# Altium PCB I2C_Jog_Controller.pcbdoc (part 5 of 9)
Units mil, origin at the board's own origin, x right, y up, seen from the top; angles counter-clockwise.
Board outline 3937.01 x 3937.01 mil, 2 copper layers (Top Layer, Bottom Layer), stack 65.398 mil thick; 211 components, 144 nets, 5702 pads, 342 vias.
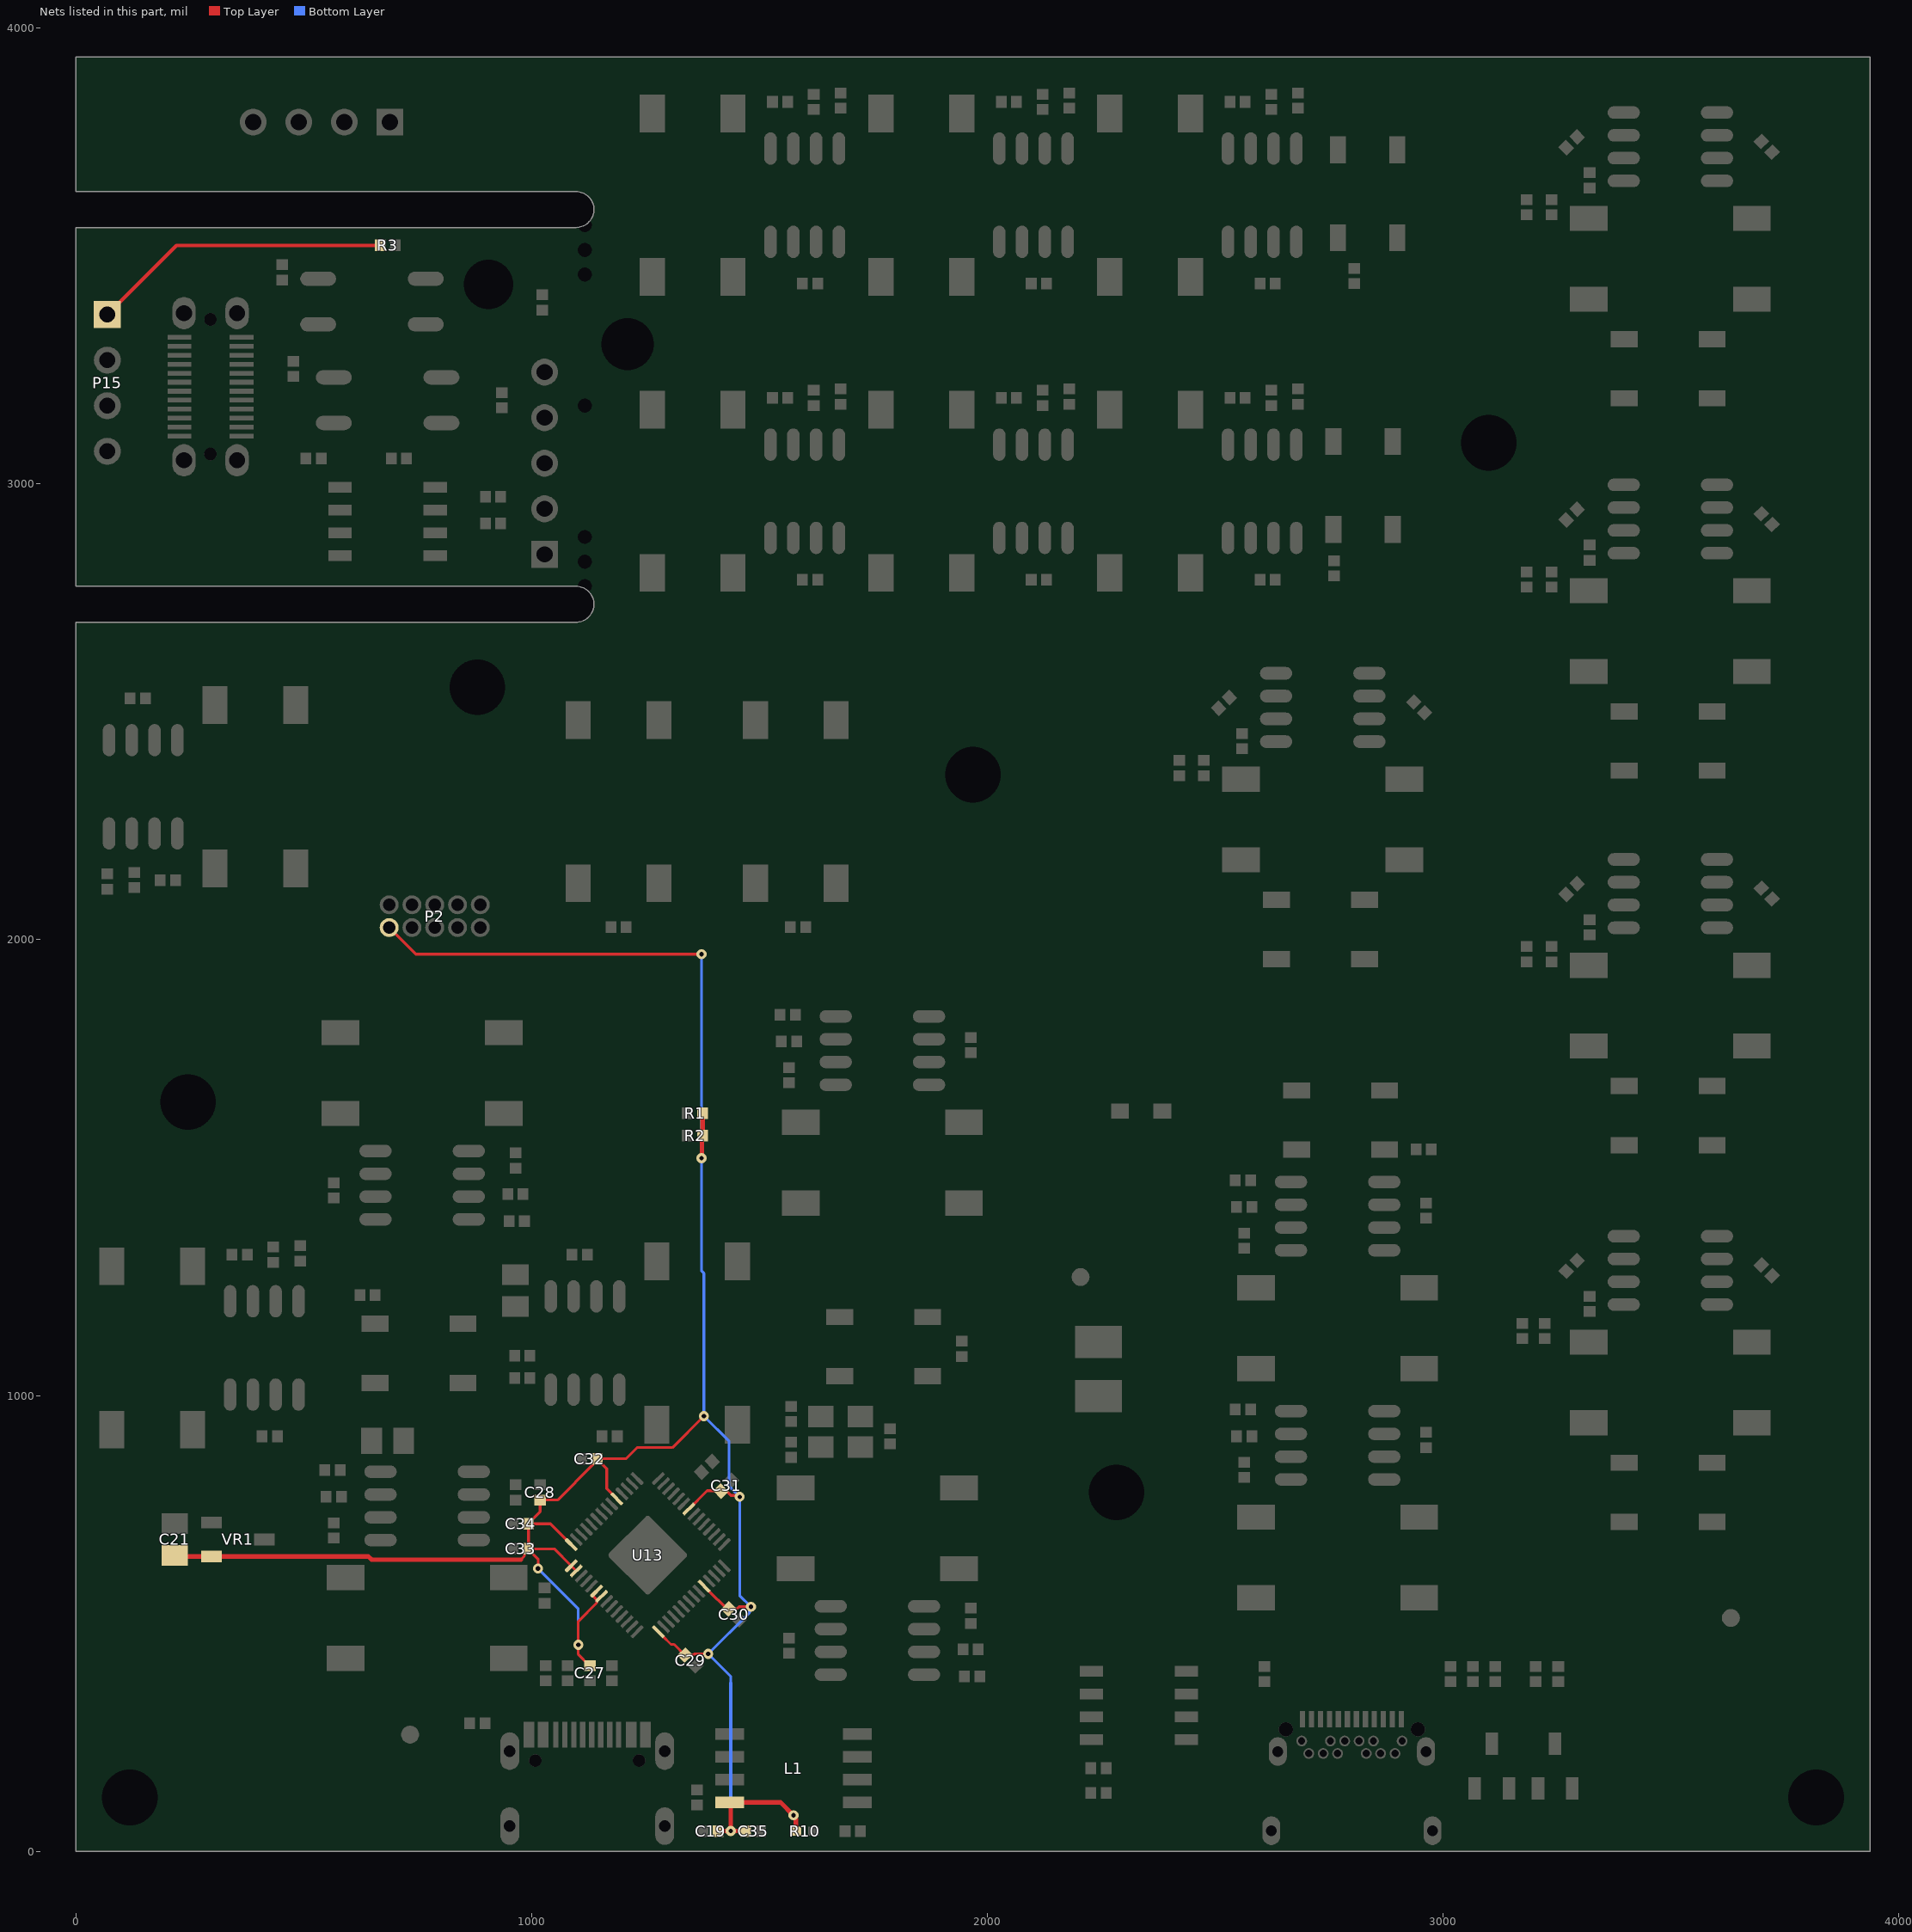
[diagram p5: the nets of this part, all layers, seen from the top]

## Footprints (in the part's own frame and the unit in brackets; to place one, negate y for a bottom-side part, rotate by r counter-clockwise, add the part's x,y. Pads: shape width x height; smd on the part's side, far side on the other; paste and mask are expansions set on the pad) (continued)
Expatria-Logo [mil] "Expatria DXF logo" (continued)
  round 1.64 on Mech4: 1_4185(-44376.2,-43436.34) 1_4186(-44382.03,-43433.68) 1_4187(-44377.56,-43436.34) 1_4188(-44383.36,-43433.68) 1_4189(-44382.03,-43433.68) 1_4190(-44393.22,-43428.3) 1_4191(-44383.36,-43433.68) 1_4192(-44394.55,-43428.3) 1_4193(-44393.22,-43428.3) 1_4194(-44405.73,-43422.5) 1_4195(-44394.55,-43428.3) 1_4196(-44407.09,-43422.5) 1_4197(-44405.73,-43422.5) 1_4198(-44407.96,-43421.59) 1_4199(-44407.09,-43422.5) 1_4200(-44409.33,-43421.59) 1_4201(-44407.96,-43421.59) 1_4202(-44410.2,-43420.68) 1_4203(-44409.33,-43421.59) 1_4204(-44411.56,-43420.68) 1_4205(-44410.2,-43420.68) 1_4206(-44416.04,-43418.03) 1_4207(-44411.56,-43420.68) 1_4208(-44417.36,-43418.03) 1_4209(-44416.04,-43418.03) 1_4210(-44418.27,-43417.12) 1_4211(-44417.36,-43418.03) 1_4212(-44419.6,-43417.12) 1_4213(-44418.27,-43417.12) 1_4214(-44422.75,-43415.34) 1_4215(-44419.6,-43417.12) 1_4216(-44424.07,-43415.34) 1_4217(-44422.75,-43415.34) 1_4218(-44424.98,-43414.43) 1_4219(-44424.07,-43415.34) 1_4220(-44426.31,-43414.43) 1_4221(-44424.98,-43414.43) 1_4222(-44427.22,-43413.56) 1_4223(-44426.31,-43414.43) 1_4224(-44428.55,-43413.56) 1_4225(-44427.22,-43413.56) 1_4226(-44429.45,-43412.65) 1_4227(-44428.55,-43413.56) 1_4228(-44430.78,-43412.65) 1_4229(-44429.45,-43412.65) 1_4230(-44432.56,-43411.32) 1_4231(-44430.78,-43412.65) 1_4232(-44434.35,-43411.32) 1_4233(-44432.56,-43411.32) 1_4234(-44438.4,-43409.5) 1_4235(-44434.35,-43411.32) 1_4236(-44439.73,-43409.5) 1_4237(-44438.4,-43409.5) 1_4238(-44440.64,-43408.63) 1_4239(-44439.73,-43409.5) 1_4240(-44441.97,-43408.63) 1_4241(-44440.64,-43408.63) 1_4242(-44443.75,-43407.26) 1_4243(-44441.97,-43408.63) 1_4244(-44445.53,-43407.26) 1_4245(-44443.75,-43407.26) 1_4246(-44449.58,-43405.48) 1_4247(-44445.53,-43407.26) 1_4248(-44450.91,-43405.48) 1_4249(-44449.58,-43405.48) 1_4250(-44451.82,-43404.61) 1_4251(-44450.91,-43405.48) 1_4252(-44453.15,-43404.61) 1_4253(-44451.82,-43404.61) 1_4254(-44454.93,-43403.25) 1_4255(-44453.15,-43404.61) 1_4256(-44456.71,-43403.25) 1_4257(-44454.93,-43403.25) 1_4258(-44471.49,-43398.32) 1_4259(-44456.71,-43403.25) 1_4260(-44473.28,-43398.32) 1_4261(-44471.49,-43398.32) 1_4262(-44481.31,-43395.21) 1_4263(-44473.28,-43398.32) 1_4264(-44506.82,-43388.95) 1_4265(-44481.31,-43395.21) 1_4266(-44509.51,-43388.95) 1_4267(-44506.82,-43388.95) 1_4268(-44517.55,-43386.72) 1_4269(-44509.51,-43388.95) 1_4270(-44520.24,-43386.72) 1_4271(-44517.55,-43386.72) 1_4272(-44525.62,-43384.9) 1_4273(-44520.24,-43386.72) 1_4274(-44530.97,-43384.9) 1_4275(-44525.62,-43384.9) 1_4276(-44539.04,-43383.12) 1_4277(-44530.97,-43384.9) 1_4278(-44551.55,-43381.34) 1_4279(-44539.04,-43383.12) 1_4280(-44556.93,-43381.34) 1_4281(-44551.55,-43381.34) 1_4282(-44572.14,-43379.55) 1_4283(-44556.93,-43381.34) 1_4284(-44577.06,-43379.55) 1_4285(-44572.14,-43379.55) 1_4286(-44577.06,-43379.55) 1_4287(-44566.75,-43378.64) 1_4288(-44589.12,-43426.07) 1_4289(-44575.25,-43426.97) 1_4290(-44575.25,-43426.97) 1_4291(-44566.3,-43428.3) 1_4292(-44566.3,-43428.3) 1_4293(-44557.81,-43428.76) 1_4294(-44557.81,-43428.76) 1_4295(-44554.24,-43429.63) 1_4296(-44554.24,-43429.63) 1_4297(-44548.41,-43430.08) 1_4298(-44548.41,-43430.08) 1_4299(-44543.52,-43431.45) 1_4300(-44543.52,-43431.45) 1_4301(-44536.35,-43432.32) 1_4302(-44536.35,-43432.32) 1_4303(-44526.04,-43435.01) 1_4304(-44526.04,-43435.01) 1_4305(-44522.93,-43435.47) 1_4306(-44522.93,-43435.47) 1_4307(-44521.57,-43436.34) 1_4308(-44521.57,-43436.34) 1_4309(-44513.99,-43437.7) 1_4310(-44513.99,-43437.7) 1_4311(-44512.62,-43438.58) 1_4312(-44512.62,-43438.58) 1_4313(-44508.15,-43439.48) 1_4314(-44508.15,-43439.48) 1_4315(-44505.92,-43440.81) 1_4316(-44505.92,-43440.81) 1_4317(-44501.02,-43441.72) 1_4318(-44501.02,-43441.72) 1_4319(-44491.62,-43445.28) 1_4320(-44491.62,-43445.28) 1_4321(-44484,-43447.52) 1_4322(-44484,-43447.52) 1_4323(-44481.77,-43448.89) 1_4324(-44481.77,-43448.89) 1_4325(-44475.51,-43450.67) 1_4326(-44475.51,-43450.67) 1_4327(-44472.37,-43452.45) 1_4328(-44472.37,-43452.45) 1_4329(-44462.09,-43455.59) 1_4330(-44462.09,-43455.59) 1_4331(-44458.95,-43457.38) 1_4332(-44458.95,-43457.38) 1_4333(-44456.71,-43457.83) 1_4334(-44456.71,-43457.83) 1_4335(-44454.48,-43459.16) 1_4336(-44454.48,-43459.16) 1_4337(-44446.89,-43461.39) 1_4338(-44446.89,-43461.39) 1_4339(-44444.66,-43462.76) 1_4340(-44444.66,-43462.76) 1_4341(-44442.42,-43463.18) 1_4342(-44442.42,-43463.18) 1_4343(-44441.51,-43464.09) 1_4344(-44441.51,-43464.09) 1_4345(-44439.27,-43464.54) 1_4346(-44439.27,-43464.54) 1_4347(-44433.47,-43467.65) 1_4348(-44433.47,-43467.65) 1_4349(-44429.87,-43468.56) 1_4350(-44429.87,-43468.56) 1_4351(-44426.31,-43470.8) 1_4352(-44426.31,-43470.8) 1_4353(-44424.07,-43471.25) 1_4354(-44424.07,-43471.25) 1_4355(-44419.6,-43473.94) 1_4356(-44419.6,-43473.94) 1_4357(-44417.36,-43474.36) 1_4358(-44417.36,-43474.36) 1_4359(-44415.13,-43475.72) 1_4360(-44415.13,-43475.72) 1_4361(-44412.89,-43476.18) 1_4362(-44412.89,-43476.18) 1_4363(-44409.33,-43478.41) 1_4364(-44409.33,-43478.41) 1_4365(-44407.09,-43478.83) 1_4366(-44407.09,-43478.83) 1_4367(-44396.78,-43484.21) 1_4368(-44396.78,-43484.21) 1_4369(-44390.07,-43487.78) 1_4370(-44390.07,-43487.78) 1_4371(-44387.84,-43488.23) 1_4372(-44387.84,-43488.23) 1_4373(-44374.42,-43495.4) 1_4374(-44374.42,-43495.4) 1_4375(-44356.07,-43504.34) 1_4376(-44356.07,-43504.34) 1_4377(-44354.74,-43505.67) 1_4378(-44354.74,-43505.67) 1_4379(-44353.41,-43506.13) 1_4380(-44353.41,-43506.13) 1_4381(-44350.27,-43508.36) 1_4382(-44350.27,-43508.36) 1_4383(-44347.12,-43510.14) 1_4384(-44347.12,-43510.14) 1_4385(-44337.76,-43515.07) 1_4386(-44337.76,-43515.07) 1_4387(-44334.61,-43516.85) 1_4388(-44334.61,-43516.85) 1_4389(-44331.47,-43518.67) 1_4390(-44331.47,-43518.67) 1_4391(-44328.36,-43520.45) 1_4392(-44328.36,-43520.45) 1_4393(-44325.21,-43522.23) 1_4394(-44325.21,-43522.23) 1_4395(-44322.1,-43524.02) 1_4396(-44322.1,-43524.02) 1_4397(-44318.96,-43525.8) 1_4398(-44318.96,-43525.8) 1_4399(-44316.72,-43526.71) 1_4400(-44316.72,-43526.71) 1_4401(-44313.58,-43528.94) 1_4402(-44313.58,-43528.94) 1_4403(-44312.25,-43529.4) 1_4404(-44312.25,-43529.4) 1_4405(-44308.68,-43532.09) 1_4406(-44308.68,-43532.09) 1_4407(-44305.54,-43533.87) 1_4408(-44305.54,-43533.87) 1_4409(-44303.3,-43534.74) 1_4410(-44303.3,-43534.74) 1_4411(-44300.16,-43536.98) 1_4412(-44300.16,-43536.98) 1_4413(-44297.05,-43538.34) 1_4414(-44297.05,-43538.34) 1_4415(-44295.68,-43539.67) 1_4416(-44295.68,-43539.67) 1_4417(-44294.36,-43540.13) 1_4418(-44294.36,-43540.13) 1_4419(-44293.03,-43541.45) 1_4420(-44293.03,-43541.45) 1_4421(-44291.67,-43541.91) 1_4422(-44291.67,-43541.91) 1_4423(-44290.34,-43543.27) 1_4424(-44290.34,-43543.27) 1_4425(-44288.97,-43543.69) 1_4426(-44288.97,-43543.69) 1_4427(-44287.65,-43545.05) 1_4428(-44287.65,-43545.05) 1_4429(-44286.32,-43545.51) 1_4430(-44286.32,-43545.51) 1_4431(-44282.72,-43548.16) 1_4432(-44282.72,-43548.16) 1_4433(-44281.39,-43548.62) 1_4434(-44281.39,-43548.62) 1_4435(-44278.25,-43550.85) 1_4436(-44278.25,-43550.85) 1_4437(-44276.92,-43551.31) 1_4438(-44276.92,-43551.31) 1_4439(-44273.77,-43553.55) 1_4440(-44273.77,-43553.55) 1_4441(-44272.45,-43554) 1_4442(-44272.45,-43554) 1_4443(-44271.08,-43555.33) 1_4444(-44271.08,-43555.33) 1_4445(-44269.76,-43555.78) 1_4446(-44269.76,-43555.78) 1_4447(-44268.43,-43557.11) 1_4448(-44268.43,-43557.11) 1_4449(-44267.07,-43557.56) 1_4450(-44267.07,-43557.56) 1_4451(-44265.74,-43558.93) 1_4452(-44265.74,-43558.93) 1_4453(-44264.37,-43559.35) 1_4454(-44264.37,-43559.35) 1_4455(-44263.05,-43560.71) 1_4456(-44263.05,-43560.71) 1_4457(-44261.72,-43561.16) 1_4458(-44261.72,-43561.16) 1_4459(-44260.36,-43562.49) 1_4460(-44260.36,-43562.49) 1_4461(-44256.79,-43564.73) 1_4462(-44256.79,-43564.73) 1_4463(-44255.43,-43565.18) 1_4464(-44255.43,-43565.18) 1_4465(-44255.01,-43566.51) 1_4466(-44259.9,-43567.87) 1_4467(-44255.01,-43566.51) 1_4468(-44263.05,-43568.29) 1_4469(-44259.9,-43567.87) 1_4470(-44267.97,-43570.11) 1_4471(-44263.05,-43568.29) 1_4472(-44272.9,-43570.98) 1_4473(-44267.97,-43570.11) 1_4474(-44279.61,-43573.22) 1_4475(-44272.9,-43570.98) 1_4476(-44286.32,-43574.58) 1_4477(-44279.61,-43573.22) 1_4478(-44289.43,-43575.91) 1_4479(-44286.32,-43574.58) 1_4480(-44294.36,-43576.82) 1_4481(-44289.43,-43575.91) 1_4482(-44299.29,-43578.6) 1_4483(-44294.36,-43576.82) 1_4484(-44305.54,-43579.47) 1_4485(-44299.29,-43578.6) 1_4486(-44308.68,-43580.84) 1_4487(-44305.54,-43579.47) 1_4488(-44312.7,-43581.29) 1_4489(-44308.68,-43580.84) 1_4490(-44315.81,-43582.62) 1_4491(-44312.7,-43581.29) 1_4492(-44325.21,-43584.86) 1_4493(-44315.81,-43582.62) 1_4494(-44331.92,-43586.18) 1_4495(-44325.21,-43584.86) 1_4496(-44338.63,-43588.42) 1_4497(-44331.92,-43586.18) 1_4498(-44351.6,-43590.66) 1_4499(-44338.63,-43588.42) 1_4500(-44354.74,-43592.02) 1_4501(-44351.6,-43590.66) 1_4502(-44364.6,-43594.26) 1_4503(-44354.74,-43592.02) 1_4504(-44377.11,-43596.49) 1_4505(-44364.6,-43594.26) 1_4506(-44380.25,-43597.82) 1_4507(-44377.11,-43596.49) 1_4508(-44387.38,-43599.6) 1_4509(-44380.25,-43597.82) 1_4510(-44395.91,-43600.51) 1_4511(-44387.38,-43599.6) 1_4512(-44401.71,-43602.29) 1_4513(-44395.91,-43600.51) 1_4514(-44407.96,-43603.2) 1_4515(-44401.71,-43602.29) 1_4516(-44414.22,-43604.98) 1_4517(-44407.96,-43603.2) 1_4518(-44420.06,-43605.44) 1_4519(-44414.22,-43604.98) 1_4520(-44426.31,-43607.22) 1_4521(-44420.06,-43605.44) 1_4522(-44432.11,-43607.68) 1_4523(-44426.31,-43607.22) 1_4524(-44433.93,-43608.55) 1_4525(-44432.11,-43607.68) 1_4526(-44443.75,-43610.37) 1_4527(-44433.93,-43608.55) 1_4528(-44449.58,-43610.79) 1_4529(-44443.75,-43610.37) 1_4530(-44454.93,-43612.15) 1_4531(-44449.58,-43610.79) 1_4532(-44460.77,-43612.6) 1_4533(-44454.93,-43612.15) 1_4534(-44464.79,-43613.93) 1_4535(-44460.77,-43612.6) 1_4536(-44471.95,-43614.39) 1_4537(-44464.79,-43613.93) 1_4538(-44483.13,-43616.62) 1_4539(-44471.95,-43614.39) 1_4540(-44488.02,-43617.08) 1_4541(-44483.13,-43616.62) 1_4542(-44490.26,-43617.95) 1_4543(-44488.02,-43617.08) 1_4544(-44525.62,-43622.88) 1_4545(-44490.26,-43617.95) 1_4546(-44534.99,-43623.33) 1_4547(-44525.62,-43622.88) 1_4548(-44539.46,-43624.21) 1_4549(-44534.99,-43623.33) 1_4550(-44564.06,-43626.02) 1_4551(-44539.46,-43624.21) 1_4552(-44599.43,-43625.57) 1_4553(-44564.06,-43626.02) 1_4554(-44608.38,-43625.57) 1_4555(-44599.43,-43625.57) 1_4556(-44617.32,-43624.21) 1_4557(-44608.38,-43625.57) 1_4558(-44621.79,-43624.21) 1_4559(-44617.32,-43624.21) 1_4560(-44625.81,-43623.33) 1_4561(-44621.79,-43624.21) 1_4562(-44630.29,-43623.33) 1_4563(-44625.81,-43623.33) 1_4564(-44634.31,-43622.42) 1_4565(-44630.29,-43623.33) 1_4566(-44636.54,-43622.42) 1_4567(-44634.31,-43622.42) 1_4568(-44638.32,-43621.55) 1_4569(-44636.54,-43622.42) 1_4570(-44640.56,-43621.55) 1_4571(-44638.32,-43621.55) 1_4572(-44642.34,-43620.64) 1_4573(-44640.56,-43621.55) 1_4574(-44644.58,-43620.64) 1_4575(-44642.34,-43620.64) 1_4576(-44646.4,-43619.73) 1_4577(-44644.58,-43620.64) 1_4578(-44649.05,-43619.73) 1_4579(-44646.4,-43619.73) 1_4580(-44650.87,-43618.86) 1_4581(-44649.05,-43619.73) 1_4582(-44653.1,-43618.86) 1_4583(-44650.87,-43618.86) 1_4584(-44654.43,-43617.95) 1_4585(-44653.1,-43618.86) 1_4586(-44656.67,-43617.95) 1_4587(-44654.43,-43617.95) 1_4588(-44660.69,-43616.62) 1_4589(-44656.67,-43617.95) 1_4590(-44663.83,-43615.71) 1_4591(-44660.69,-43616.62) 1_4592(-44665.16,-43615.71) 1_4593(-44663.83,-43615.71) 1_4594(-44666.07,-43614.84) 1_4595(-44665.16,-43615.71) 1_4596(-44667.85,-43614.84) 1_4597(-44666.07,-43614.84) 1_4598(-44670.54,-43613.48) 1_4599(-44667.85,-43614.84) 1_4600(-44671.87,-43613.48) 1_4601(-44670.54,-43613.48) 1_4602(-44675.47,-43611.69) 1_4603(-44671.87,-43613.48) 1_4604(-44676.8,-43611.69) 1_4605(-44675.47,-43611.69) 1_4606(-44679.03,-43610.37) 1_4607(-44676.8,-43611.69) 1_4608(-44680.36,-43610.37) 1_4609(-44679.03,-43610.37) 1_4610(-44681.27,-43609.46) 1_4611(-44680.36,-43610.37) 1_4612(-44682.6,-43609.46) 1_4613(-44681.27,-43609.46) 1_4614(-44684.42,-43608.13) 1_4615(-44682.6,-43609.46) 1_4616(-44685.74,-43608.13) 1_4617(-44684.42,-43608.13) 1_4618(-44700.94,-43600.06) 1_4619(-44685.74,-43608.13) 1_4620(-44701.85,-43600.06) 1_4621(-44700.94,-43600.06) 1_4622(-44703.18,-43598.73) 1_4623(-44701.85,-43600.06) 1_4624(-44704.09,-43598.73) 1_4625(-44703.18,-43598.73) 1_4626(-44704.55,-43597.82) 1_4627(-44704.09,-43598.73) 1_4628(-44705.42,-43597.82) 1_4629(-44704.55,-43597.82) 1_4630(-44705.87,-43596.95) 1_4631(-44705.42,-43597.82) 1_4632(-44706.78,-43596.95) 1_4633(-44705.87,-43596.95) 1_4634(-44707.2,-43596.04) 1_4635(-44706.78,-43596.95) 1_4636(-44708.11,-43596.04) 1_4637(-44707.2,-43596.04) 1_4638(-44708.56,-43595.13) 1_4639(-44708.11,-43596.04) 1_4640(-44709.44,-43595.13) 1_4641(-44708.56,-43595.13) 1_4642(-44709.89,-43594.26) 1_4643(-44709.44,-43595.13) 1_4644(-44710.8,-43594.26) 1_4645(-44709.89,-43594.26) 1_4646(-44711.67,-43592.89) 1_4647(-44710.8,-43594.26) 1_4648(-44712.58,-43592.89) 1_4649(-44711.67,-43592.89) 1_4650(-44713.04,-43592.02) 1_4651(-44712.58,-43592.89) 1_4652(-44713.91,-43592.02) 1_4653(-44713.04,-43592.02) 1_4654(-44714.82,-43590.66) 1_4655(-44713.91,-43592.02) 1_4656(-44715.73,-43590.66) 1_4657(-44714.82,-43590.66) 1_4658(-44716.15,-43589.78) 1_4659(-44715.73,-43590.66) 1_4660(-44717.05,-43589.78) 1_4661(-44716.15,-43589.78) 1_4662(-44717.96,-43588.42) 1_4663(-44717.05,-43589.78) 1_4664(-44718.84,-43588.42) 1_4665(-44717.96,-43588.42) 1_4666(-44719.29,-43587.55) 1_4667(-44718.84,-43588.42) 1_4668(-44720.2,-43587.55) 1_4669(-44719.29,-43587.55) 1_4670(-44721.07,-43586.18) 1_4671(-44720.2,-43587.55) 1_4672(-44721.98,-43586.18) 1_4673(-44721.07,-43586.18) 1_4674(-44723.76,-43583.95) 1_4675(-44721.98,-43586.18) 1_4676(-44724.67,-43583.95) 1_4677(-44723.76,-43583.95) 1_4678(-44726.91,-43581.29) 1_4679(-44724.67,-43583.95) 1_4680(-44727.78,-43581.29) 1_4681(-44726.91,-43581.29) 1_4682(-44729.57,-43579.06) 1_4683(-44727.78,-43581.29) 1_4684(-44730.47,-43579.06) 1_4685(-44729.57,-43579.06) 1_4686(-44742.11,-43566.97) 1_4687(-44730.47,-43579.06) 1_4688(-44742.56,-43566.97) 1_4689(-44742.11,-43566.97) 1_4690(-44742.98,-43565.64) 1_4691(-44742.56,-43566.97) 1_4692(-44747.46,-43561.16) 1_4693(-44742.98,-43565.64) 1_4694(-44747.91,-43561.16) 1_4695(-44747.46,-43561.16) 1_4696(-44748.36,-43559.8) 1_4697(-44747.91,-43561.16) 1_4698(-44750.15,-43558.02) 1_4699(-44748.36,-43559.8) 1_4700(-44750.6,-43558.02) 1_4701(-44750.15,-43558.02) 1_4702(-44751.06,-43556.69) 1_4703(-44750.6,-43558.02) 1_4704(-44752.38,-43555.33) 1_4705(-44751.06,-43556.69) 1_4706(-44752.84,-43555.33) 1_4707(-44752.38,-43555.33) 1_4708(-44753.75,-43553.55) 1_4709(-44752.84,-43555.33) 1_4710(-44754.17,-43553.55) 1_4711(-44753.75,-43553.55) 1_4712(-44754.62,-43552.22) 1_4713(-44754.17,-43553.55) 1_4714(-44755.07,-43552.22) 1_4715(-44754.62,-43552.22) 1_4716(-44755.98,-43550.4) 1_4717(-44755.07,-43552.22) 1_4718(-44756.4,-43550.4) 1_4719(-44755.98,-43550.4) 1_4720(-44756.86,-43549.07) 1_4721(-44756.4,-43550.4) 1_4722(-44757.31,-43549.07) 1_4723(-44756.86,-43549.07) 1_4724(-44758.22,-43547.29) 1_4725(-44757.31,-43549.07) 1_4726(-44758.64,-43547.29) 1_4727(-44758.22,-43547.29) 1_4728(-44759.09,-43545.93) 1_4729(-44758.64,-43547.29) 1_4730(-44759.55,-43545.93) 1_4731(-44759.09,-43545.93) 1_4732(-44760.46,-43544.15) 1_4733(-44759.55,-43545.93) 1_4734(-44760.88,-43544.15) 1_4735(-44760.46,-43544.15) 1_4736(-44761.33,-43542.82) 1_4737(-44760.88,-43544.15) 1_4738(-44761.78,-43542.82) 1_4739(-44761.33,-43542.82) 1_4740(-44762.69,-43541.04) 1_4741(-44761.78,-43542.82) 1_4742(-44763.11,-43541.04) 1_4743(-44762.69,-43541.04) 1_4744(-44764.93,-43537.89) 1_4745(-44763.11,-43541.04) 1_4746(-44765.35,-43537.89) 1_4747(-44764.93,-43537.89) 1_4748(-44765.8,-43536.56) 1_4749(-44765.35,-43537.89) 1_4750(-44766.26,-43536.56) 1_4751(-44765.8,-43536.56) 1_4752(-44766.71,-43535.2) 1_4753(-44766.26,-43536.56) 1_4754(-44767.17,-43535.2) 1_4755(-44766.71,-43535.2) 1_4756(-44767.59,-43533.87) 1_4757(-44767.17,-43535.2) 1_4758(-44768.04,-43533.87) 1_4759(-44767.59,-43533.87) 1_4760(-44768.49,-43532.51) 1_4761(-44768.04,-43533.87) 1_4762(-44768.95,-43532.51) 1_4763(-44768.49,-43532.51) 1_4764(-44769.4,-43531.18) 1_4765(-44768.95,-43532.51) 1_4766(-44769.82,-43531.18) 1_4767(-44769.4,-43531.18) 1_4768(-44770.73,-43528.94) 1_4769(-44769.82,-43531.18) 1_4770(-44771.18,-43528.94) 1_4771(-44770.73,-43528.94) 1_4772(-44772.06,-43526.71) 1_4773(-44771.18,-43528.94) 1_4774(-44772.51,-43526.71) 1_4775(-44772.06,-43526.71) 1_4776(-44773.42,-43524.47) 1_4777(-44772.51,-43526.71) 1_4778(-44773.88,-43524.47) 1_4779(-44773.42,-43524.47) 1_4780(-44774.75,-43522.23) 1_4781(-44773.88,-43524.47) 1_4782(-44775.2,-43522.23) 1_4783(-44774.75,-43522.23) 1_4784(-44776.53,-43519.09) 1_4785(-44775.2,-43522.23) 1_4786(-44776.99,-43519.09) 1_4787(-44776.53,-43519.09) 1_4788(-44777.89,-43516.85) 1_4789(-44776.99,-43519.09) 1_4790(-44778.35,-43516.85) 1_4791(-44777.89,-43516.85) 1_4792(-44778.35,-43516.85) 1_4793(-44776.11,-43514.62) 1_4794(-44776.11,-43514.62) 1_4795(-44775.66,-43513.29) 1_4796(-44775.66,-43513.29) 1_4797(-44773.88,-43511.96) 1_4798(-44773.88,-43511.96) 1_4799(-44773.42,-43510.6) 1_4800(-44773.42,-43510.6) 1_4801(-44771.64,-43509.27) 1_4802(-44771.64,-43509.27) 1_4803(-44771.18,-43507.91) 1_4804(-44771.18,-43507.91) 1_4805(-44768.95,-43506.13) 1_4806(-44768.95,-43506.13) 1_4807(-44768.49,-43504.8) 1_4808(-44768.49,-43504.8) 1_4809(-44756.4,-43493.16) 1_4810(-44756.4,-43493.16) 1_4811(-44755.98,-43491.83) 1_4812(-44755.98,-43491.83) 1_4813(-44753.75,-43489.6) 1_4814(-44753.75,-43489.6) 1_4815(-44752.38,-43489.14) 1_4816(-44752.38,-43489.14) 1_4817(-44751.06,-43487.36) 1_4818(-44751.06,-43487.36) 1_4819(-44749.69,-43486.91) 1_4820(-44749.69,-43486.91) 1_4821(-44745.22,-43481.98) 1_4822(-44745.22,-43481.98) 1_4823(-44743.89,-43481.52) 1_4824(-44743.89,-43481.52) 1_4825(-44742.56,-43479.74) 1_4826(-44742.56,-43479.74) 1_4827(-44741.2,-43479.29) 1_4828(-44741.2,-43479.29) 1_4829(-44739.42,-43477.05) 1_4830(-44739.42,-43477.05) 1_4831(-44738.09,-43476.59) 1_4832(-44738.09,-43476.59) 1_4833(-44735.4,-43473.94) 1_4834(-44735.4,-43473.94) 1_4835(-44734.04,-43473.49) 1_4836(-44734.04,-43473.49) 1_4837(-44733.62,-43472.58) 1_4838(-44733.62,-43472.58) 1_4839(-44732.25,-43472.12) 1_4840(-44732.25,-43472.12) 1_4841(-44729.57,-43469.47) 1_4842(-44729.57,-43469.47) 1_4843(-44728.24,-43469.01) 1_4844(-44728.24,-43469.01) 1_4845(-44726.45,-43467.23) 1_4846(-44726.45,-43467.23) 1_4847(-44725.09,-43466.78) 1_4848(-44725.09,-43466.78) 1_4849(-44723.31,-43464.99) 1_4850(-44723.31,-43464.99) 1_4851(-44721.98,-43464.54) 1_4852(-44721.98,-43464.54) 1_4853(-44720.2,-43462.76) 1_4854(-44720.2,-43462.76) 1_4855(-44718.84,-43462.3) 1_4856(-44718.84,-43462.3) 1_4857(-44718.38,-43461.39) 1_4858(-44718.38,-43461.39) 1_4859(-44715.27,-43460.07) 1_4860(-44715.27,-43460.07) 1_4861(-44713.91,-43458.7) 1_4862(-44713.91,-43458.7) 1_4863(-44712.58,-43458.28) 1_4864(-44712.58,-43458.28) 1_4865(-44712.13,-43457.38) 1_4866(-44712.13,-43457.38) 1_4867(-44709.02,-43455.59) 1_4868(-44709.02,-43455.59) 1_4869(-44706.78,-43454.69) 1_4870(-44706.78,-43454.69) 1_4871(-44705.42,-43453.36) 1_4872(-44705.42,-43453.36) 1_4873(-44702.31,-43451.58) 1_4874(-44702.31,-43451.58) 1_4875(-44699.16,-43449.76) 1_4876(-44699.16,-43449.76) 1_4877(-44696.93,-43449.34) 1_4878(-44696.93,-43449.34) 1_4879(-44688.89,-43444.87) 1_4880(-44688.89,-43444.87) 1_4881(-44686.65,-43444.41) 1_4882(-44686.65,-43444.41) 1_4883(-44685.74,-43443.5) 1_4884(-44685.74,-43443.5) 1_4885(-44682.18,-43442.63) 1_4886(-44682.18,-43442.63) 1_4887(-44678.58,-43440.81) 1_4888(-44678.58,-43440.81) 1_4889(-44671,-43438.58) 1_4890(-44671,-43438.58) 1_4891(-44667.4,-43436.79) 1_4892(-44667.4,-43436.79) 1_4893(-44662.92,-43435.92) 1_4894(-44662.92,-43435.92) 1_4895(-44660.23,-43434.56) 1_4896(-44660.23,-43434.56) 1_4897(-44653.1,-43432.78) 1_4898(-44653.1,-43432.78) 1_4899(-44649.05,-43432.32) 1_4900(-44649.05,-43432.32) 1_4901(-44645.03,-43430.99) 1_4902(-44645.03,-43430.99) 1_4903(-44639.23,-43430.54) 1_4904(-44639.23,-43430.54) 1_4905(-44636.99,-43429.63) 1_4906(-44636.99,-43429.63) 1_4907(-44631.16,-43429.21) 1_4908(-44631.16,-43429.21) 1_4909(-44628.92,-43428.3) 1_4910(-44628.92,-43428.3) 1_4911(-44623.12,-43427.39) 1_4912(-44623.12,-43427.39) 1_4913(-44610.61,-43426.52) 1_4914(-44610.61,-43426.52) 1_4915(-44589.12,-43426.07)
  silkscreen extent -44849,-43740 -43954,-43379
Fiducial10-20 [mm]
  round 1 smd mask+0.5: 1(0,0)
  Top Layer keep-out circle w1.178: c0,0 r0.5
FP-SOT96-1-MFG [mm]
  rect 1.3x0.6 smd paste+0 mask+0: 1(-2.65,1.905) 2(-2.65,0.635) 3(-2.65,-0.635) 4(-2.65,-1.905) 5(2.65,-1.905) 6(2.65,-0.635) 7(2.65,0.635) 8(2.65,1.905)
  silkscreen extent -4,-2.5 1.63,2.5, body extent -3.5,-2.75 3.5,2.75, height 0.25
HDR1X4 [mm] "Connector; Header; 4 Position"
  rect 1.5x1.5 hole 0.9: 1(0,0)
  round 1.5 hole 0.9: 2(2.54,0) 3(5.08,0) 4(7.62,0)
  silkscreen extent -1.27,-1.27 8.89,1.27
HDR1X5 [mm] "Connector; Header; 5 Position"
  rect 1.5x1.5 hole 0.9: 1(0,0)
  round 1.5 hole 0.9: 2(2.54,0) 3(5.08,0) 4(7.62,0) 5(10.16,0)
  silkscreen extent -1.27,-1.27 11.43,1.27
HRO_TYPE-C-31-M-12 [mm]
  rect 0.6x1.45 smd: A1B12(-3.25,5.095) A4B9(-2.45,5.095) B1A12(3.25,5.095) B4A9(2.45,5.095)
  rect 0.3x1.45 smd: A5(-1.25,5.095) A6(-0.25,5.095) A7(0.25,5.095) A8(1.25,5.095) B5(1.75,5.095) B6(0.75,5.095) B7(-0.75,5.095) B8(-1.75,5.095)
  oval 1.05x2.1 hole 0.65 slot 1.75 at 90 deg: S1(-4.32,4.18) S2(4.32,4.18)
  oval 1.05x2.1 hole 0.65 slot 1.25 at 90 deg: S3(-4.32,0) S4(4.32,0)
  round 0.7 hole 0.7 unplated: ""(-2.89,3.65) ""(2.89,3.65)
  silkscreen extent -4.47,-2.6 4.47,6.5, body extent -4.47,-2.6 4.47,5.3, height 3.31
RP2040 [mm]
  rrect50% 0.875x0.2 smd: 1(-3.437,2.6) 2(-3.437,2.2) 3(-3.437,1.8) 4(-3.437,1.4) 5(-3.437,1) 6(-3.437,0.6) 7(-3.438,0.2) 8(-3.438,-0.2) 9(-3.438,-0.6) 10(-3.437,-1) 11(-3.437,-1.4) 12(-3.437,-1.8) 13(-3.437,-2.2) 14(-3.437,-2.6) 29(3.437,-2.6) 30(3.437,-2.2) 31(3.437,-1.8) 32(3.437,-1.4) 33(3.437,-1) 34(3.438,-0.6) 35(3.438,-0.2) 36(3.438,0.2) 37(3.437,0.6) 38(3.437,1) 39(3.437,1.4) 40(3.437,1.8) 41(3.437,2.2) 42(3.437,2.6)
  rrect50% 0.2x0.875 smd: 15(-2.6,-3.437) 16(-2.2,-3.437) 17(-1.8,-3.437) 18(-1.4,-3.437) 19(-1,-3.437) 20(-0.6,-3.437) 21(-0.2,-3.438) 22(0.2,-3.438) 23(0.6,-3.438) 24(1,-3.437) 25(1.4,-3.437) 26(1.8,-3.437) 27(2.2,-3.437) 28(2.6,-3.437) 43(2.6,3.437) 44(2.2,3.437) 45(1.8,3.437) 46(1.4,3.437) 47(1,3.437) 48(0.6,3.438) 49(0.2,3.438) 50(-0.2,3.438) 51(-0.6,3.437) 52(-1,3.437) 53(-1.4,3.437) 54(-1.8,3.437) 55(-2.2,3.437) 56(-2.6,3.437)
  rrect10% 3.2x3.2 smd: 57(0,0)
  silkscreen extent -4.42,-3.65 3.65,3.65, body extent -3.5,-3.5 3.5,3.5, height 0.9
SOD-323 [mm]
  rect 1x0.83 smd: 1(1.18,0) 2(-1.18,0)
  silkscreen extent -0.4,-0.6 0.4,0.6, body extent -1.35,-0.62 1.35,0.63, height 1.1
SOIC127P780X195-8N [mm]
  rect 1.6x0.65 smd: 1(-3.55,1.905) 2(-3.55,0.635) 3(-3.55,-0.635) 4(-3.55,-1.905) 5(3.55,-1.905) 6(3.55,-0.635) 7(3.55,0.635) 8(3.55,1.905)
  silkscreen extent -4.35,-2.62 2.4,2.62, body extent -3.9,-2.62 3.9,2.62, height 1.95
SOIC-8_150mil [mm]
  oval 0.7x1.8 smd: 1(-1.905,-2.6) 2(-0.635,-2.6) 3(0.635,-2.6) 4(1.905,-2.6) 5(1.905,2.6) 6(0.635,2.6) 7(-0.635,2.6) 8(-1.905,2.6)
  silkscreen extent -2.9,-3.05 2.4,1.4, body extent -2.41,-3 2.49,3, height 1.75
SOP-4_P2.54 [mm]
  oval 2x0.8 smd: 1(-3,1.27) 2(-3,-1.27) 3(3,-1.27) 4(3,1.27)
  silkscreen extent -3.55,-2 1.6,2.35
SOT-23(SOT-23-3) [mm]
  rect 1.25x0.7 smd: 1(1.25,-0.95) 2(1.25,0.95) 3(-1.25,0)
  silkscreen extent -0.65,-1.46 0.9,1.46, body extent -1.5,-1.5 1.5,1.5, height 1.3
SOT-23-3L [mm] "http://www.aosmd.com/res/packaging_information/SOT-23-3L.pdf"
  rect 1.15x0.65 smd: 1(1.475,-0.95) 2(1.475,0.95) 3(-1.475,0)
  silkscreen extent -0.9,-1.95 1.6,1.55, body extent -0.9,-1.55 0.9,1.55, height 1.25
TECO-FSM4JSMATR_V [mm] "SMD, 4-Leads, Body 6x6mm, Pitch 4.5mm"
  rect 1.4x2.1 smd: 1(2.25,4.55) 2(2.25,-4.55) 3(-2.25,4.55) 4(-2.25,-4.55)
  silkscreen extent -3,-3 3.62,4.67, body extent -3,-5 3,5, height 5.08
USB-C-SMD_GT-USB-7061 [mm]
  oval 1.8x1.3 hole 0.9 slot 1.4 at 0 deg: 1(-4.1,1.48) 2(4.1,1.48) 3(-4.1,-1.48) 4(4.1,-1.48)
  rect 0.27x1.34 smd: A1(-2.75,1.73) A2(-2.25,1.73) A3(-1.75,1.73) A4(-1.25,1.73) A5(-0.75,1.73) A6(-0.25,1.73) A7(0.25,1.73) A8(0.75,1.73) A9(1.25,1.73) A10(1.75,1.73) A11(2.25,1.73) A12(2.75,1.73) B1(2.75,-1.73) B2(2.25,-1.73) B3(1.75,-1.73) B4(1.25,-1.73) B5(0.75,-1.73) B6(0.25,-1.73) B7(-0.25,-1.73) B8(-0.75,-1.73) B9(-1.25,-1.73) B10(-1.75,-1.73) B11(-2.25,-1.73) B12(-2.75,-1.73)
  round 0.7 hole 0.7 unplated: ""(-3.75,0) ""(3.75,0)
  silkscreen extent -4.65,-0.65 4.65,2.71
USB-C-SMD_TYPE-C-USB-20 [mm]
  oval 1x1.6 hole 0.6 slot 1.199 at 90 deg: 1(-4.13,1.305) 2(4.13,1.305)
  oval 1x1.6 hole 0.6 slot 1.2 at 90 deg: 3(-4.49,-3.105) 4(4.49,-3.105)
  rect 0.3x0.9 smd: A1(-2.75,3.105) A2(-2.25,3.105) A3(-1.75,3.105) A4(-1.25,3.105) A5(-0.75,3.105) A6(-0.25,3.105) A7(0.25,3.105) A8(0.75,3.105) A9(1.25,3.105) A10(1.75,3.105) A11(2.25,3.105) A12(2.75,3.105)
  round 0.6 hole 0.4: B1(2.8,1.895) B2(2.4,1.195) B3(1.6,1.195) B4(1.2,1.895) B5(0.8,1.195) B6(0.4,1.895) B7(-0.4,1.895) B8(-0.8,1.195) B9(-1.2,1.895) B10(-1.6,1.195) B11(-2.4,1.195) B12(-2.8,1.895)
  round 0.8 hole 0.8 unplated: ""(-3.675,2.545) ""(3.675,2.545)
  silkscreen extent -4.93,-5.62 4.92,4.28, body extent -4.47,-5.78 4.47,2.13, height 3.31
YSX321SL [mm]
  rect 1.4x1.2 smd: 1(-1.1,-0.85) 2(1.1,-0.85) 3(1.1,0.85) 4(-1.1,0.85)
  silkscreen extent -2.8,-1.1 -2.6,-0.9, body extent -1.68,-1.33 1.68,1.33, height 0.9

## Part data
C1 C3 C9 C11 C18 C24 C25 C28 C29 C30 C31 C32 C33 C34 C35: library part "0402 100nF (104) 10% 16V", "Chip capacitors", Manufacturer="Samsung Electro-Mechanics", Package=0402, PartNumber=CL05B104KO5NNNC, SuppliersPartNumber=C1525, Tolerance=10%, VOLTAGE=16V, Capacitance=100nF, ComponentLink1Description="Supplier link", ComponentLink1URL=http://www.szlcsc.com/product/details_1877.html, Supplier=LC
C2 C4 C5 C6 C7 C8 C10 C17 C26 C27 CYC_C12 CYC_C13 CYC_C14 DN_C15 DN_C16 FD_C15 FD_C16 FHL_C12 FHL_C13 FHL_C14 FLD_C15 FLD_C16 FR_C15 FR_C16 FU_C15 FU_C16 HLT_C12 HLT_C13 HLT_C14 HME_C12 HME_C13 HME_C14 JS_C15 JS_C16 LT_C15 LT_C16 LW_C15 LW_C16 MST_C15 MST_C16 RI_C15 RI_C16 RT_C15 RT_C16 SD_C15 SD_C16 SPN_C12 SPN_C13 SPN_C14 SR_C15 SR_C16 SU_C15 SU_C16 UP_C15 UP_C16: library part "0402 1.0uF (105) 10% 25V", "Chip capacitor", Capacitance=1uF, Manufacturer="Samsung Electro-Mechanics", Package=0402, PartNumber=CL05A105KA5NQNC, SuppliersPartNumber=C52923, Tolerance=10%, VOLTAGE=25V, ComponentLink1Description="Supplier link", ComponentLink1URL=http://www.szlcsc.com/product/details_53938.html, Supplier=LC
C19: library part "0402 4.7uF (475) 20% 10V", "Chip capacitor", Manufacturer="Samsung Electro-Mechanics", Package=0402, PartNumber=CL05A475MP5NRNC, SuppliersPartNumber=C23733, Tolerance=20%, VOLTAGE=10V, Capacitance=4.7uF, ComponentLink1Description="Supplier link", ComponentLink1URL=http://www.szlcsc.com/product/details_24469.html, Supplier=LC
C20 C21 C36: library part "0805 22uF (226) 20% 25V", "Chip capacitors", Manufacturer="Samsung Electro-Mechanics", Package=0805, PartNumber=CL21A226MAQNNNE, SuppliersPartNumber=C2922481, Tolerance=20%, VOLTAGE=25V, Capacitance=22uF, ComponentLink1Description="Supplier link", ComponentLink1URL=http://www.szlcsc.com/product/details_46786.html, Supplier=LC
C22 C23: library part "0402 10pF (100) 5% 50V", "Chip capacitors", Manufacturer="Samsung Electro-Mechanics", Package=0402, PartNumber=CL05C100JB5NNNC, SuppliersPartNumber=C32949, Tolerance=5%, VOLTAGE=50V, Capacitance=10pF, ComponentLink1Description="Supplier link", ComponentLink1URL=http://www.szlcsc.com/product/details_33914.html, Supplier=LC
C37: library part "3528 100uF (107) 10% 6.3V", "Tantalum capacitor", Manufacturer=AVX, Package=3528, PartNumber=TAJB107K006RNJ, SuppliersPartNumber=C16133, Tolerance=10%, VOLTAGE=6.3V, Capacitance=100uF, ComponentLink1Description="Supplier link", ComponentLink1URL=http://www.szlcsc.com/product/details_16815.html, Supplier=LC
CYC_R13 DN_R15 FD_R15 FHL_R13 FLD_R15 FR_R15 FU_R15 HLT_R13 HME_R13 JS_R15 LT_R15 LW_R15 MST_R15 RI_R15 RT_R15 SD_R15 SPN_R13 SR_R15 SU_R15 UP_R15: library part "0402 33K (3302) 1%", "Chip resistor", Manufacturer="Uniroyal Elec", Package=0402, PartNumber=0402WGF3302TCE, Power=1/16W, Resistance=33KΩ, SuppliersPartNumber=C25779, Tolerance=1%, ComponentLink1Description="Supplier link", ComponentLink1URL=http://www.szlcsc.com/product/details_26522.html, Supplier=LC
CYC_R14 DN_R16 FD_R16 FHL_R14 FLD_R16 FR_R16 FU_R16 HLT_R14 HME_R14 JS_R16 LT_R16 LW_R16 MST_R16 R4 R5 R6 R7 R17 RI_R16 RT_R16 SD_R16 SPN_R14 SR_R16 SU_R16 UP_R16: library part "0402 1K (1001) 1%", "Chip resistor", Manufacturer="Uniroyal Elec", Package=0402, PartNumber=0402WGF1001TCE, Power=1/16W, Resistance=1KΩ, SuppliersPartNumber=C11702, Tolerance=1%, ComponentLink1Description="Supplier link", ComponentLink1URL=http://www.szlcsc.com/product/details_12256.html, Supplier=LC
CYC_SW3 DN_SW4 FD_SW4 FHL_SW3 FLD_SW4 FR_SW4 FU_SW4 HLT_SW3 HME_SW3 JS_SW4 LT_SW4 LW_SW4 MST_SW4 RI_SW4 RT_SW4 SD_SW4 SPN_SW3 SR_SW4 SU_SW4 SW1 SW2 UP_SW4: library part CMP-2000-07486-1, "Top Actuated 50mA @ 12VDC Round Button SPST 6*6mm Tactile Switches ROHS", Package=SMD-4_6.0x6.0x4.5P, SuppliersPartNumber=C127509
CYC_U7 FHL_U7 HLT_U7 HME_U7 SPN_U7 U1 U2 U3 U4 U5: library part CMP-2000-05026-1, "Intelligent Control LED Integrated Light Source, 3.5 to 5.3 V, -25 to 80 degC, 4-Pin SMD, RoHS, Tape and Reel", Manufacturer=Worldsemi, Package Description="4-Pin Surface Mount Device, Body 5 x 5 mm", SuppliersPartNumber=C2761795, Part_Number=WS2812B-B/W
CYC_U8 DN_U9 FD_U9 FHL_U8 FLD_U9 FR_U9 FU_U9 HLT_U8 HME_U8 JS_U9 LT_U9 LW_U9 MST_U9 RI_U9 RT_U9 SD_U9 SPN_U8 SR_U9 SU_U9 UP_U9: library part NE555DR_[C7593], "时基集成", Package=SOIC-8_150mil, SuppliersPartNumber=C7593, ComponentLink1Description=供应商链接, ComponentLink1URL=http://www.szlcsc.com/product/details_8070.html, Supplier=LC
D1: library part "SOD-323 1N4148WS T4", "二极管", Package=SOD-323, SuppliersPartNumber=C2128, ComponentLink1Description=供应商链接, ComponentLink1URL=http://www.szlcsc.com/product/details_2485.html, Supplier=LC
FID1 FID2 FID3: "FIDUCIAL NO ASSEMBLY", Manufacturer 1=NONE, Manufacturer Part Number 1=NONE
J1: "USB Connectors 24 Receptacle 1 8.94*7.3mm RoHS", Package=Package, SuppliersPartNumber=C165948, Availability=Unavailable, MF="HRO Electronics Co., Ltd.", MP=TYPE-C-31-M-12, Price=None, SnapEDA_Link=https://www.snapeda.com/parts/TYPE-C-31-M-12/HRO%20Electronics%20Co.,%20Ltd./view-part/3228496/?ref=snap
J3: library part "USBC TYPE-C-31-M-04", "CONN RCP USB3.1 TYPEC 24P SMD RA", Manufacturer="Korean Hroparts Elec", SuppliersPartNumber=C129018, Manufacturer Part Number=TYPE-C-31-M-04
J4: library part USBC-GT-USB-7061, "CONN RCP USB3.1 TYPEC 24P SMD VERT", Manufacturer=G-Switch, SuppliersPartNumber=C2762983, Manufacturer Part Number=GT-USB-7061
L1: "Inductor", Arrow Part Number="W25Q128JVSIQ TR", Manufacturer_Name=Winbond, Mouser Part Number=454-W25Q128JVSIQTR, SuppliersPartNumber=C97521, Arrow Price/Stock=https://www.arrow.com/en/products/w25q128jvsiqtr/winbond-electronics?region=nac, Datasheet Link=http://www.winbond.com/resource-files/w25q128jv%20spi%20revc%2011162016.pdf, HEIGHT=1.95mm, Manufacturer_Part_Number="W25Q128JVSIQ TR", Mouser Price/Stock=https://www.mouser.co.uk/ProductDetail/Winbond/W25Q128JVSIQ-TR?qs=qSfuJ%252Bfl%2Fd7vTyLA9kNdGw%3D%3D
Logo1: library part SBT-Logo, "Expatria Logo", Manufacturer 1=NONE, Manufacturer Part Number 1=NONE
P1: library part "Header 4", "Header, 4-Pin", LatestRevisionDate=17-Jul-2002, LatestRevisionNote="Re-released for DXP Platform.", Publisher="Altium Limited"
P2: library part CMP-1502-00948-1, "THT Vertical Pin Header WR-PHD, Pitch 1.27 mm, Dual Row, 10 pins", Contact Resistance=20mOhm, Manufacturer="Wurth Elektronik", Operating Temperature=-40to105degC, Rated Current=1A, Withstanding Voltage=500VAC, Working Voltage=100VAC, Datasheet URL=https://katalog.we-online.de/em/datasheet/62201021121.pdf, Gender=Male, Manufacturer URL=http://www.we-online.de, Mounting Technology=THT, Orientation=Vertical, Package Reference=62201021121, Packaging=Box, Part Number=62201021121, Pin Number=10, Pitch=1.27mm, Publisher=WurthElektronik, Row Number=Dual
P14: "Header, 5-Pin", SuppliersPartNumber=C124379, LatestRevisionDate=17-Jul-2002, LatestRevisionNote="Re-released for DXP Platform.", Publisher="Altium Limited"
P15: "Header, 4-Pin", SuppliersPartNumber=C124378, Publisher="Altium Limited"
Q1 Q2: library part "SOT-23 MMBT5551  G1", "三极管", Package=SOT-23, SuppliersPartNumber=C2145, ComponentLink1Description=供应商链接, ComponentLink1URL=http://www.szlcsc.com/product/details_2502.html, Supplier=LC
R1 R2 R3: library part "0402 4.7K (4701) 1%", "Chip resistor", Manufacturer="Uniroyal Elec", Package=0402, PartNumber=0402WGF4701TCE, Power=1/16W, Resistance=4.7KΩ, SuppliersPartNumber=C25900, Tolerance=1%, ComponentLink1Description="Supplier link", ComponentLink1URL=http://www.szlcsc.com/product/details_26643.html, Supplier=LC
R8 R9 R23 R24: library part "0402 2.2K (2201) 1%", "Chip resistor", Manufacturer="Uniroyal Elec", Package=0402, PartNumber=0402WGF2201TCE, Power=1/16W, Resistance=2.2KΩ, SuppliersPartNumber=C25879, Tolerance=1%, ComponentLink1Description="Supplier link", ComponentLink1URL=http://www.szlcsc.com/product/details_26622.html, Supplier=LC
R10: library part RES, "Resistor, ±5%, 0.05W", Part Number=R0201-0R, Part number IPS=00000003245, Artikkelnr Noca=N.A., ComponentLink1Description=Datasheet, ComponentLink2Description="Supplier link", Footprint Doc=0201, LatestRevisionDate=2017-11-09, Note="Chip Res 5%", Pin Count=2, Published=2014-11-13, Publisher="Nordic Semiconductor"
R11 R12: library part "0402 10K (1002) 1%", "Chip resistor", Manufacturer="Uniroyal Elec", Package=0402, PartNumber=0402WGF1002TCE, Power=1/16W, Resistance=10KΩ, SuppliersPartNumber=C25744, Tolerance=1%, ComponentLink1Description="Supplier link", ComponentLink1URL=http://www.szlcsc.com/product/details_26487.html, Supplier=LC
R18 R19: library part "0402 22R (22R0) 1%", "Chip resistor", Manufacturer="Uniroyal Elec", Package=0402, PartNumber=0402WGF220JTCE, Power=1/16W, Resistance=22Ω, SuppliersPartNumber=C25092, Tolerance=1%, ComponentLink1Description="Supplier link", ComponentLink1URL=http://www.szlcsc.com/product/details_25835.html, Supplier=LC
R20 R21: library part "0402 5.1K (5101) 1%", "Chip resistor", Manufacturer="Uniroyal Elec", Package=0402, PartNumber=0402WGF5101TCE, Power=1/16W, Resistance=51.1KΩ, SuppliersPartNumber=C25905, Tolerance=1%, ComponentLink1Description="Supplier link", ComponentLink1URL=http://www.szlcsc.com/product/details_26648.html, Supplier=LC
R22: library part "0402 470R (4700) 1%", "Chip resistor", Manufacturer="Uniroyal Elec", Package=0402, PartNumber=0402WGF4700TCE, Power=1/16W, Resistance=470Ω, SuppliersPartNumber=C25117, Tolerance=1%, ComponentLink1Description="Supplier link", ComponentLink1URL=http://www.szlcsc.com/product/details_25860.html, Supplier=LC
U6 U10: library part CMP-10107-000005-1, "IC REDRIVER I2C 1CH 400KHZ 8SO", Manufacturer="NXP Semicon", Manufacturer_Part_Number=P82B715TD,118, Package=SO-8, SuppliersPartNumber=C2652383
U11 U12: library part EL357N(B)(TA)-G_[C6649], "贴片光耦", Package=SOP-4_P2.54, SuppliersPartNumber=C6649, ComponentLink1Description=供应商链接, ComponentLink1URL=http://www.szlcsc.com/product/details_7114.html, Supplier=LC
U13: "RP2040 First MCU from RPI"
VR1: library part "SOT-23 XC6206P332MR", "200mA 680mV@(100mA) Fixed 3.3V~3.3V Positive 1 6V SOT-23-3L Linear Voltage Regulators (LDO) ROHS", Package=SOT-23, SuppliersPartNumber=C5446, ComponentLink1Description=供应商链接, ComponentLink1URL=http://www.szlcsc.com/product/details_5896.html, Supplier=LC
Y1: "Crystal or Oscillator", Manufacturer_Name=YXC, SuppliersPartNumber=C9002, Datasheet Link=https://datasheet.lcsc.com/szlcsc/YSX321SL-30MHZ-10PF-8PPM_C70576.pdf, HEIGHT=0.8mm, Manufacturer_Part_Number=YSX321SL

## Free pads (board coordinates)
  round 0 hole 108.27 unplated: 0(905.51,3437.8)
  round 0 hole 122.05 unplated: 2(118.11,118.11) 2(246.06,1643.7) 2(880.91,2554.13) 2(1968.5,2362.2) 2(2283.46,787.4) 2(3100.39,3090.55) 2(3818.9,118.11)
  round 0 hole 31 unplated: 2(1117.13,2775.59) 2(1117.13,2829.72) 2(1117.13,2883.86) 2(1117.13,3459.65) 2(1117.13,3513.78) 2(1117.13,3567.91)
  round 0 hole 31 slot 501.97 at 90 deg unplated: 2(1117.13,3172.24)
  round 0 hole 114.17 unplated: 2(1210.63,3307.09)

## Via types
v1: diameter 33.46, hole 19.68, Top Layer to Bottom Layer, tented both sides, 196 vias
v2: diameter 22, hole 10, Top Layer to Bottom Layer, tented both sides, 146 vias

## Nets (pads, with @x,y where several pads share a name; then routed paths per layer and width w, separated by ;. In a path a pad name is that pad's centre, name@x,y a point inside that pad or via, vN(x,y) a via of type N, cw(c..) or ccw(c..) an arc to the next point about the centre after c; other vN are vias at no path point)
+3.3V: C19.2 C21.2 C27.2 C28.2 C29.2 C30.2 C31.2 C32.2 C33.2 C34.2 C35.2 L1.8 P2.1 R1.2 R2.2 R10.2 U13.1 U13.10 U13.22 U13.33 U13.42 U13.43 U13.44 U13.48 U13.49 VR1.2 | length 5645.6
  Top Layer w6: P2.1@687.4,2026.77 745.67,1968.5 v2(1373.03,1968.5) ; 976.01,639.59 984.3,647.88 984.3,654.58 C33.2@993.11,663.39 ; v2(1014.14,620.08) 1014.14,641.37 993.11,662.4 C33.2@993.11,663.39 ; U13.42@1086.84,672.92 1041.26,718.5 C34.2@993.11,718.5 ; U13.44@1097.98,615.16 1086.18,626.95 1049.75,663.39 C33.2@993.11,663.39 ; C27.2@1127.76,407.48 1126.78,407.48 1102.36,431.9 1102.36,504.21 1142.52,544.37 1142.52,552.32 1134.04,560.8 1134.04,562.13 U13.48@1142.52,570.61 ; U13.33@1178.99,782.36 1178.15,783.2 1177.01,783.2 1164.76,795.45 1164.76,839.18 1143.7,860.24 C32.2@1143.7,861.22 ; U13.1@1287.59,472.18 1305.85,453.92 1312.81,453.92 C29.2@1336.59,430.14 1337.29,430.83 1355.18,430.83 1357.42,433.07 v2(1387.8,433.07) ; U13.22@1345.05,750.87 1385.21,791.03 1414.64,791.03 C31.2@1415.33,790.33 1427.79,790.33 1437.51,780.62 1453.63,780.62 v2(1456.69,777.56) ; v2(1377.95,954.72) 1308.91,885.68 1231.42,885.68 1206.95,861.22 C32.2@1143.7,861.22 ; U13.10@1387.81,572.4 1428.71,531.5 C30.2@1432.09,531.5 1432.78,532.19 1450.68,532.19 1454.9,536.42 v2(1481.3,536.42) ; C33.2@993.11,663.39 C34.2@993.11,718.5 ; C34.2@993.11,718.5 993.11,719.49 1018.7,745.08 C28.2@1018.7,770.67 1057.02,770.67 1134.89,848.54 1134.89,852.41 C32.2@1143.7,861.22
  Top Layer w10: C21.2@216.54,649.02 218.9,646.65 641.92,646.65 648.98,639.59 976.01,639.59 ; v2(1373.03,1520.67) 1374.02,1521.65 1374.02,1568.9 R2.2@1375,1569.88 R1.2@1375,1619.09 ; C19.2@1409.45,44.29 v2(1437.01,44.29) ; C35.2@1469.49,44.29 v2(1437.01,44.29) ; R10.2@1579.72,44.29 1579.72,70.57 1574.8,75.49 v2(1574.8,78.74) 1546.46,107.09 L1.8@1435.04,107.09 1437.01,105.12 v2(1437.01,44.29)
  Bottom Layer w6: v2@1016.75,617.47 1102.36,531.86 v2(1102.36,452.76) ; v2(1373.03,1968.5) 1373.03,1273.05 1377.95,1268.13 v2(1377.95,954.72) 1433.43,899.25 1433.43,800.82 v2(1456.69,777.56) 1456.69,561.02 v2(1481.3,536.42) 1478.24,533.36 1478.24,523.51 v2(1387.8,433.07) 1437.01,383.86 1437.01,369.27
  Bottom Layer w8: v2(1437.01,44.29) 1437.01,369.27
+3.3V_CONN: P15.1 R3.2 | length 661.2
  Top Layer w8: P15.1@68.9,3372.05 220.47,3523.62 R3.2@667.32,3523.62